# Altium PCB rt10.PcbDoc (part 1 of 4) (continued)
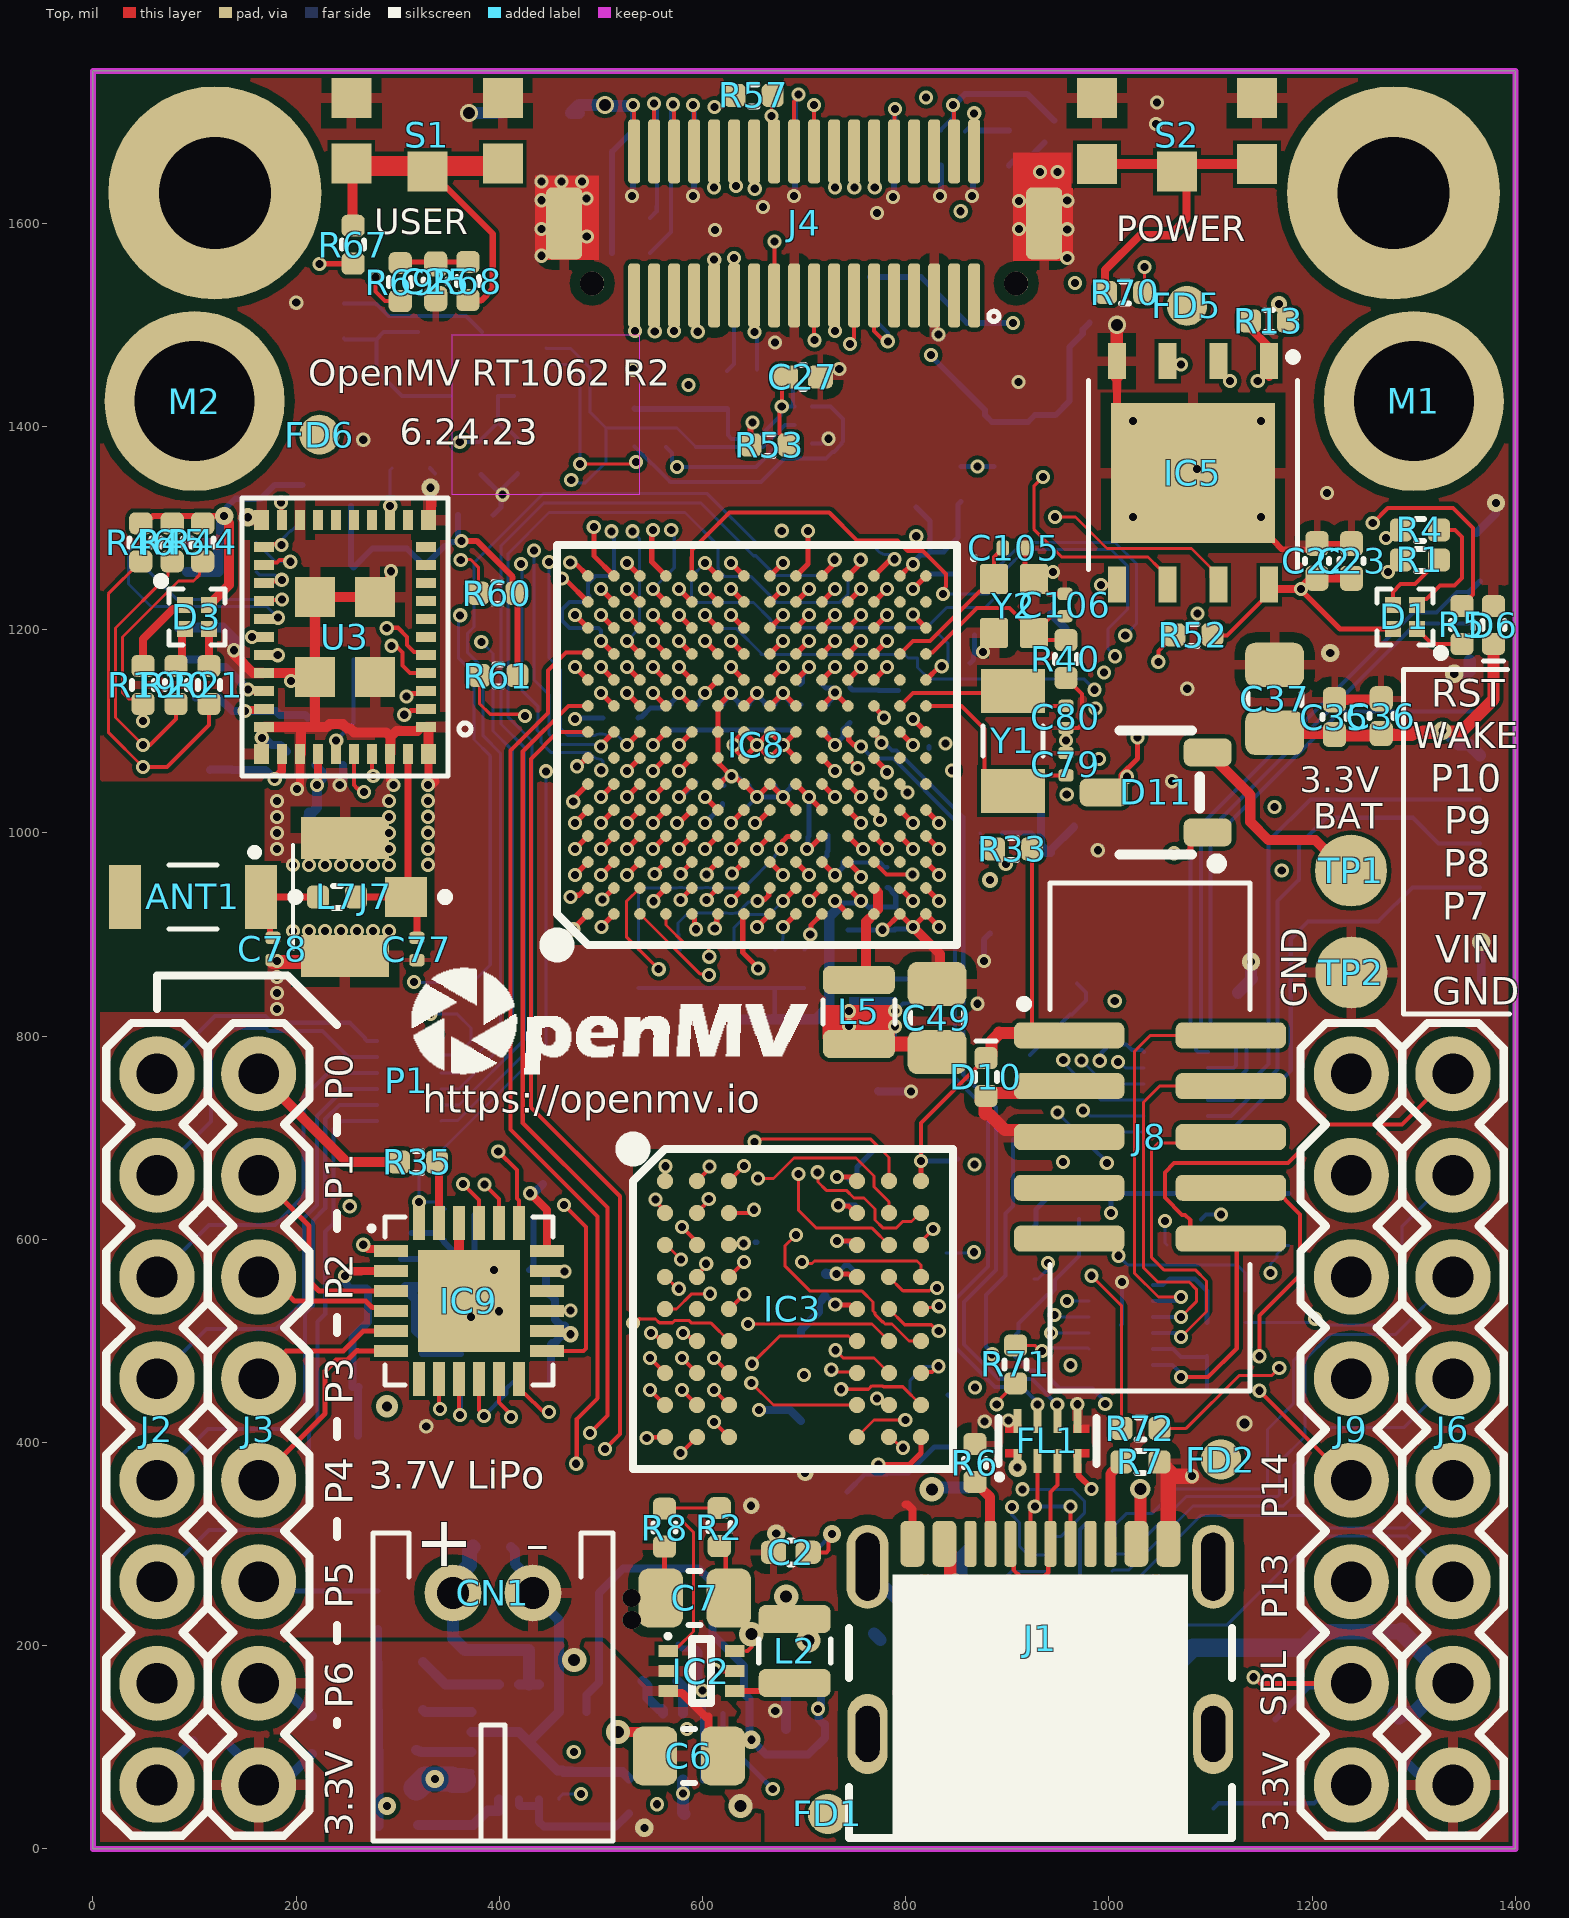
[diagram p0: Top view]
## Classes and differential pairs
component class wifi-bt: ANT1 C24 C74 C75 C76 C77 C78 C91 C92 C93 C113 J7 L7 L9 R60 R61 R62 R63 R64 R65 R66 U3 X1
component class usb: C110 FD1 FD2 FD3 FD4 FD5 FD6 FD7 FD8 FL1 J1 L1 M1 M2 P1 P2 P3 P4 R6 R7 R41
component class sensor-header: C32 C33 C39 C40 C42 C44 C51 C52 J4 L4 R24 R27 R28 R29 R30 R31 R53 R54
component class security-accelerometer: C20 C21 C26 C27 C111 C112 IC4 IC7 R15 R16 R17
component class sdram-16-bit: C11 C12 C13 C14 C15 C16 C17 C18 C19 C28 C29 C30 C31 IC3 R18
component class sd-card: C35 C36 C37 D6 D9 FL3 J5 R47 R48 R49 R50 R51 R52
component class regulators: C1 C2 C6 C7 D11 IC2 L2 Q1 Q2 Q3 R2 R3 R8 R22 R23 TP1 TP2 U1
component class qspi-flash: C22 C23 D3 IC5 R13 R19 R20 R21 R44 R45 R46
component class jtag: D10 FL5 J8 R37 R58 R59 R71 R72
component class io-headers: D4 D5 D7 D8 D13 D14 FL2 FL4 J2 J3 J6 J9 Q6 R55 R56 R57
component class ideal-diode: C3 C4 C5 D1 IC1 R5 R14
component class ethernet: C65 C81 C82 C83 C84 C85 C89 C90 C96 IC9 L8 R34 R35 R36 R38 R39
component class battery-charging: C8 C9 C10 CN1 D2 R1 R4 R9 R10 R11 R12 R42 R43 U2
net class DCMI: DCMI_CLK DCMI_D0 DCMI_D1 DCMI_D2 DCMI_D3 DCMI_D4 DCMI_D5 DCMI_D6 DCMI_D7 DCMI_FSIN DCMI_HSYNC DCMI_MISO DCMI_MOSI DCMI_PCLK DCMI_PWDN DCMI_RST DCMI_SCL DCMI_SCLK DCMI_SDA DCMI_SSEL DCMI_VSYNC
net class SDRAM: SDRAM_A0 SDRAM_A1 SDRAM_A2 SDRAM_A3 SDRAM_A4 SDRAM_A5 SDRAM_A6 SDRAM_A7 SDRAM_A8 SDRAM_A9 SDRAM_A10 SDRAM_A11 SDRAM_A12 SDRAM_BA0 SDRAM_BA1 SDRAM_CAS SDRAM_CKE SDRAM_CLK SDRAM_CS SDRAM_DQ0 SDRAM_DQ1 SDRAM_DQ2 SDRAM_DQ3 SDRAM_DQ4 SDRAM_DQ5 SDRAM_DQ6 SDRAM_DQ7 SDRAM_DQ8 SDRAM_DQ9 SDRAM_DQ10 SDRAM_DQ11 SDRAM_DQ12 SDRAM_DQ13 SDRAM_DQ14 SDRAM_DQ15 SDRAM_DQMH SDRAM_DQML SDRAM_RAS SDRAM_WE
component class mimxrt10xx: C25 C38 C41 C43 C45 C46 C47 C48 C49 C50 C53 C54 C55 C56 C57 C58 C59 C60 C61 C62 C63 C64 C66 C67 C68 C69 C70 C71 C72 C73 C79 C80 C86 C87 C88 C94 C95 C97 C98 C99 C100 C101 C102 C103 C104 C105 C106 C107 C108 C109 IC8 L5 L6 R32 R33 R40 R67 R68 R69 R70 S1 S2 Y1 Y2
polygon class PolygonThermal_ON_Width100000_Gap100000: Polygon_1_Net_GND Polygon_1_Net_VCC Polygon_2_Net_GND Polygon_3_Net_GND
polygon class Isolate_10: Polygon_1_Net_GND Polygon_1_Net_VCC Polygon_2_Net_GND Polygon_3_Net_GND
pad class SMDSolder_OFF: U3-43
pad class SMDPaste_OFF: FD1-1 FD2-1 FD5-1 FD6-1 J4-1 J4-2 J4-3 J4-4 J4-5 J4-6 J4-7 J4-8 J4-9 J4-10 J4-11 J4-12 J4-13 J4-14 J4-15 J4-16 J4-17 J4-18 J4-19 J4-20 J4-21 J4-22 J4-23 J4-24 J4-25 J4-26 J4-27 J4-28 J4-29 J4-30 J4-31 J4-32 J4-33 J4-34 J4-35 J4-36 U3-43
differential pair USB_D: +USB_D_P -USB_D_N

## Components (designator, comment, footprint, x,y, rotation, side; value= is the part's Value field where it differs from the comment)
ANT1 "AMCA31-2R450G-S1F-T3" ANTC3216X140N 98.43,937.01 r180 top
C1 "4.7uF" 0402-CAP 702,123 r0 bottom
C2 "4.7uF" 0402-CAP 686.87,292 r0 top
C3 "4.7uF" 0402-CAP 599.41,34.45 r180 bottom
C4 "4.7uF" 0402-CAP 559,201 r0 bottom
C5 "4.7uF" 0402-CAP 558.07,165.35 r0 bottom
C6 "22uF" 0805 586.61,91.54 r180 top
C7 "22uF" 0805 592.25,247.05 r180 top
C8 "4.7uF" 0402-CAP 441.05,200.86 r180 bottom
C9 "4.7uF" 0402-CAP 301.18,60.04 r0 bottom
C10 "4.7uF" 0402-CAP 527.56,52.17 r270 bottom
C11 "0.22uF" C0201 721.46,555.12 r270 bottom
C12 "4.7uF" 0402-CAP 717.52,617.13 r90 bottom
C13 "0.22uF" C0201 751.97,641.73 r270 bottom
C14 "22uF" 0805 688.98,473.43 r270 bottom
C15 "0.22uF" C0201 814.96,700.79 r90 bottom
C16 "0.22uF" C0201 651.47,607.07 r270 bottom
C17 "4.7uF" 0402-CAP 843.87,696.17 r270 bottom
C18 "22uF" 0805 771.65,723.43 r270 bottom
C19 "0.22uF" C0201 751.97,578.74 r270 bottom
C20 "0.1uF" 0402-CAP 279,1503 r90 bottom
C21 "4.7uF" 0402-CAP 247,1503 r270 bottom
C22 "0.1uF" 0402-CAP 1204.72,1267.89 r90 top
C23 "4.7uF" 0402-CAP 1238.7,1267.73 r270 top
C24 "0.1uF" 0402-CAP 376.56,1312.84 r0 bottom
C25 "4.7uF" 0402-CAP 337.31,1543.01 r90 top
C26 "0.1uF" 0402-CAP 704,1459 r0 bottom
C27 "4.7uF" 0402-CAP 698.82,1448.82 r180 top
C28 "0.22uF" C0201 650.59,562.01 r270 bottom
C29 "22uF" 0805 708.23,360 r180 bottom
C30 "4.7uF" 0402-CAP 862.2,397.64 r0 bottom
C31 "0.22uF" C0201 781.5,358.27 r90 bottom
C32 "22uF" 0805 437.01,1708.66 r180 bottom
C33 "4.7uF" 0402-CAP 866.14,1674.21 r90 bottom
C34 "0.22uF" C0201 679.14,1013.21 r270 bottom
C35 "4.7uF" 0402-CAP 1222,1114 r270 top
C36 "0.1uF" 0402-CAP 1268,1115 r90 top
C37 "22uF" 0805 1163,1132 r90 top
C38 "0.22uF" C0201 666.34,1112.2 r270 bottom
C39 "4.7uF" 0402-CAP 788.39,1673.23 r90 bottom
C40 "4.7uF" 0402-CAP 690.94,1674.21 r90 bottom
C41 "4.7uF" 0402-CAP 676.18,799.55 r90 bottom
C42 "4.7uF" 0402-CAP 591.54,1674.21 r90 bottom
C43 "0.22uF" C0201 715.55,997.05 r0 bottom
C44 "4.7uF" 0402-CAP 531.5,1674.21 r90 bottom
C45 "0.22uF" C0201 691.93,1112.2 r270 bottom
C46 "4.7uF" 0402-CAP 766.73,844.49 r270 bottom
C47 "0.22uF" C0201 807.09,845.47 r90 bottom
C48 "0.22uF" C0201 630.52,1029.11 r180 bottom
C49 "22uF" 0805 830.71,817.91 r270 top
C50 "0.22uF" C0201 818.43,1230.57 r90 bottom
C51 "22uF" 0805 981.3,1695.87 r0 bottom
C52 "4.7uF" 0402-CAP 834.65,1674.21 r90 bottom
C53 "0.22uF" C0201 593.5,1061.02 r90 bottom
C54 "0.22uF" C0201 715.72,1022.28 r0 bottom
C55 "0.22uF" C0201 765.59,915.53 r270 bottom
C56 "0.22uF" C0201 743.09,915.47 r270 bottom
C57 "4.7uF" 0402-CAP 712.6,799.55 r90 bottom
C58 "22uF" 0805 625,773.96 r90 bottom
C59 "0.22uF" C0201 823.82,1265.75 r270 bottom
C60 "4.7uF" 0402-CAP 851.38,1273.62 r90 bottom
C61 "22uF" 0805 776.54,1332 r0 bottom
C62 "0.22uF" C0201 730.32,974.41 r180 bottom
C63 "0.22uF" C0201 884.03,1000 r0 bottom
C64 "4.7uF" 0402-CAP 230,1021 r0 bottom
C65 "4.7uF" 0402-CAP 364.17,629.92 r180 bottom
C66 "0.22uF" C0201 707,1146 r180 bottom
C67 "4.7uF" 0402-CAP 519,1115 r180 bottom
C68 "0.22uF" C0201 590.55,1112.2 r90 bottom
C69 "0.22uF" C0201 771,1130 r90 bottom
C70 "0.22uF" C0201 792.84,1151.1 r270 bottom
C71 "0.22uF" C0201 716.5,1112.2 r90 bottom
C72 "4.7uF" 0402-CAP 742.08,1123.98 r270 bottom
C73 "22uF" 0805 879,1082.63 r270 bottom
C74 "0.1uF" 0402-CAP 182,1101 r270 bottom
C75 "0.1uF" 0402-CAP 84.39,1185.13 r90 bottom
C76 "0.1uF" 0402-CAP 236.22,1066.93 r0 bottom
C77 "GRM0335C1H1R5BA01D" CAPC0603X33N 318.9,885.83 r270 top
C78 "DNP" C0201-NO-3D 177.17,885.83 r270 top
C79 "18pF" C0201 957.68,1067.74 r90 top
C80 "18pF" C0201 957.68,1114.17 r270 top
C81 "0.1uF" 0402-CAP 290,551 r0 bottom
C82 "4.7uF" 0402-CAP 278,407 r180 bottom
C83 "4.7uF" 0402-CAP 292.32,607.28 r180 bottom
C84 "0.1uF" 0402-CAP 292.32,580.71 r0 bottom
C85 "22uF" 0805 298.31,505 r0 bottom
C86 "0.22uF" C0201 563.98,1112.2 r90 bottom
C87 "0.22uF" C0201 666.34,1061.02 r270 bottom
C88 "0.22uF" C0201 795,1019 r270 bottom
C89 "0.1uF" 0402-CAP 428.96,522.64 r180 bottom
C90 "4.7uF" 0402-CAP 429,491 r0 bottom
C91 "4.7uF" 0402-CAP 211,1131 r270 bottom
C92 "4.7uF" 0402-CAP 114.33,1185.45 r270 bottom
C93 "4.7uF" 0402-CAP 230,991 r180 bottom
C94 "0.22uF" C0201 640.75,1061.02 r270 bottom
C95 "4.7uF" 0402-CAP 882.87,918.31 r90 bottom
C96 "22uF" 0805 395.67,569.88 r180 bottom
C97 "0.22uF" C0201 616.14,1061.02 r270 bottom
C98 "0.22uF" C0201 615.16,1112.2 r90 bottom
C99 "0.22uF" C0201 593.44,1016.72 r90 bottom
C100 "0.22uF" C0201 691.93,1061.02 r270 bottom
C101 "4.7uF" 0402-CAP 822.83,1099.36 r90 bottom
C102 "0.22uF" C0201 797.14,1105.16 r270 bottom
C103 "0.22uF" C0201 640.75,1112.2 r90 bottom
C104 "4.7uF" 0402-CAP 857.99,1194.13 r180 bottom
C105 "4.7pF" C0201 906.5,1280.51 r0 top
C106 "4.7pF" C0201 956.69,1224.41 r90 top
C107 "0.22uF" C0201 857.36,1167.35 r0 bottom
C108 "4.7uF" 0402-CAP 886.81,1343.5 r90 bottom
C109 "0.22uF" C0201 788.35,915.34 r270 bottom
C110 "1nF" 0402-CAP 785.73,212.04 r180 bottom
C111 "0.1uF" 0402-CAP 418,1371 r270 bottom
C112 "4.7uF" 0402-CAP 382,1370 r90 bottom
C113 "4.7uF" 0402-CAP 254,1339 r270 bottom
CN1 "S2B-PH-K-S(LF)(SN)" JST-PH-2-THM-RA 393.7,251.97 r180 top
D1 "UHD1110-FKA-CL1A13R3Q1BBQFMF3" LED_UHD1110-FKA-CL1A13R3Q1BBQFMF3 1291.21,1212.6 r180 top
D2 "CPDQT5V0HE-HF" CPDQT5V0HEHF 392.72,297.24 r0 bottom
D3 "UHD1110-FKA-CL1A13R3Q1BBQFMF3" LED_UHD1110-FKA-CL1A13R3Q1BBQFMF3 102.36,1212.6 r0 top
D4 "CPDQT5V0HE-HF" CPDQT5V0HEHF 113.19,110.24 r0 bottom
D5 "CPDQT5V0HE-HF" CPDQT5V0HEHF 215.55,112.2 r270 bottom
D6 "CPDQT5V0HE-HF" CPDQT5V0HEHF 1378.36,1204.68 r90 top
D7 "CPDQT5V0HE-HF" CPDQT5V0HEHF 1285.43,111.22 r270 bottom
D8 "CPDQT5V0HE-HF" CPDQT5V0HEHF 280.51,235.24 r270 bottom
D9 "CPDQT5V0HE-HF" CPDQT5V0HEHF 921,761 r270 bottom
D10 "CPDQT5V0HE-HF" CPDQT5V0HEHF 878.93,759.84 r270 top
D11 "Dual Schottky" SOT-23-3 1046,1040 r90 top value=?V
D13 "CPDQT5V0HE-HF" CPDQT5V0HEHF 1164,109 r270 bottom
D14 "CPDQT5V0HE-HF" CPDQT5V0HEHF 1084,40 r180 bottom
FD1 "FIDUCIAL1X2" FIDUCIAL-1X2 723.43,34.45 r0 top
FD2 "FIDUCIAL1X2" FIDUCIAL-1X2 1110.24,383.28 r0 top
FD3 "FIDUCIAL1X2" FIDUCIAL-1X2 223,1392 r180 bottom
FD4 "FIDUCIAL1X2" FIDUCIAL-1X2 1110.24,382.97 r180 bottom
FD5 "FIDUCIAL1X2" FIDUCIAL-1X2 1076.74,1518.92 r0 top
FD6 "FIDUCIAL1X2" FIDUCIAL-1X2 223,1392 r0 top
FD7 "FIDUCIAL1X2" FIDUCIAL-1X2 1156.17,1477 r180 bottom
FD8 "FIDUCIAL1X2" FIDUCIAL-1X2 527.56,330.71 r180 bottom
FL1 "ECMF02-4CMX8" ECMF024CMX8 939.46,401.57 r0 top
FL2 "EMIF06-1005M12" SON40P150X250X65-13N 311.02,755.91 r180 bottom
FL3 "EMIF06-1005M12" SON40P150X250X65-13N 1066,745 r0 bottom
FL4 "EMIF06-1005M12" SON40P150X250X65-13N 971.5,265.62 r0 bottom
FL5 "EMIF06-1005M12" SON40P150X250X65-13N 1011.81,515.75 r0 bottom
IC1 "LM66200DRLR" SOTFL50P160X60-8N 590.55,100.39 r90 bottom
IC2 "AP61300Z6-7" SOTFL50P162X60-6N 598.89,174.95 r0 top
IC3 "IS42S16160G-6BL" BGA54C80P9X9_800X800X120 688.98,531.5 r0 top
IC4 "SE050C1HQ1/Z01SCZ" HX2QFN20 383,1493 r270 bottom
IC5 "IS25LP128F-JKLE-TR" SON127P500X595X80-9N 1082.68,1354.34 r270 top
IC7 "MXC4005XC" MXC4005XC 699.02,1401.58 r180 bottom
IC8 "MIMXRT106FDVL6B" BGA196C65P14X14_1000X1000X143 653.54,1086.61 r90 top locked
IC9 "KSZ8081RNDCA-TR" QFN50P400X400X90-25N 370.08,539.37 r0 top
J1 "USB4105-GF-A" GCT_USB4105-GF-A 932.46,113.19 r0 top
J2 "DNP" 1X08 62.99,62.99 r90 top
J3 "DNP" 1X08 162.99,62.99 r90 top
J4 "DF12NB(3.0)-36DS-0.5V(51)" DF12-36-DS 700,1600 r0 top
J5 "USD-1040310811" 1040310811 1156.01,1069.08 r270 bottom locked
J6 "DNP" 1X08 1338.58,62.99 r90 top
J7 "DNP" 23370191-NO-3D 248.03,937.01 r90 top
J8 "3221-10-0300-00" CNC_3221-10-0300-00 1040.35,700.79 r270 top locked
J9 "DNP" 1X08 1238.58,62.99 r90 top
L1 "MFBM1V1608-101-R" 0603-RES 863,328 r90 bottom
L2 "MAKK2016T1R0M" INDC2016X100N 690.68,194.88 r90 top
L4 "100" C0402 901.57,1674.21 r90 bottom
L5 "MAKK2016T4R7M" INDC2016X100N 753.84,823.82 r90 top
L6 "100" C0402 854.33,1343.5 r90 bottom
L7 "3.9NH" 0402 240.16,937.01 r0 top
L8 "100" C0402 278.57,454.76 r0 bottom
L9 "MAKK2016T2R2M" INDC2016X100N 101,1102 r90 bottom
M1 "9774030243R" 9774030243R 1300,1425 r0 top
M2 "9774030243R" 9774030243R 100,1425 r0 top
P1 "OpenMV Logo" OMV-LOGO-SMALL 309.06,755.91 r0 top
P2 "OpenMV Logo" OMV-LOGO-SMALL 775.8,1167.27 r180 bottom
P3 "RoHS Logo" ROHS 1164,1313 r180 bottom
P4 "WEEE Logo" WEEE 1163,1505 r180 bottom
Q1 "2N7002KW_R1_00001" SOT65P210X110-3N 1013.78,620.08 r180 bottom
Q2 "2N7002KW_R1_00001" SOT65P210X110-3N 1133.69,619.41 r180 bottom
Q3 "2N7002KW_R1_00001" SOT65P210X110-3N 882.87,586.61 r180 bottom
Q6 "DMG2301L-7" SOT-23-3-FET 970,110 r180 bottom
R1 "5.1K" 0402-RES 1306.1,1268.7 r0 top
R2 "200K" 0402-RES 616.4,316.71 r270 top
R3 "100K" 0402-RES 897.64,522.64 r180 bottom
R4 "10K" 0402-RES 1306.1,1298.23 r0 top
R5 "1K" 0402-RES 1347.44,1204.72 r270 top
R6 "5.1K" 0402-RES 868,380 r90 top
R7 "5.1K" 0402-RES 1031,381 r0 top
R8 "44.2K" 0402-RES 562.56,316.2 r90 top
R9 "10K" 0402-RES 299.21,184.06 r180 bottom
R10 "1.1K" 0402-RES 301.18,23.62 r180 bottom
R11 "46.4K" 0402-RES 299.21,97.44 r180 bottom
R12 "8.2K" 0402-RES 299.21,136.81 r180 bottom
R13 "100K" 0402-RES 1157.48,1503.94 r180 top
R14 "100K" 0402-RES 813,115 r90 bottom
R15 "2.7K" 0402-RES 533.09,1399.2 r90 bottom
R16 "2.7K" 0402-RES 593.5,1398.62 r90 bottom
R17 "2.7K" 0402-RES 563.98,1398.62 r90 bottom
R18 "100K" 0402-RES 823,447 r180 bottom
R19 "1K" 0402-RES 49.21,1145.67 r90 top
R20 "10K" 0402-RES 81.69,1145.67 r90 top
R21 "5.1K" 0402-RES 114.17,1145.67 r90 top
R22 "100K" 0402-RES 925,699 r180 bottom
R23 "100K" 0402-RES 925.21,665.35 r180 bottom
R24 "100K" 0402-RES 764.76,1528.54 r90 bottom
R27 "10K" 0402-RES 674.21,1525.59 r270 bottom
R28 "1K" 0402-RES 654.53,1436.02 r270 bottom
R29 "10K" 0402-RES 624.02,1436.02 r270 bottom
R30 "4.7K" 0402-RES 529.53,1570.87 r180 bottom
R31 "4.7K" 0402-RES 529.53,1605.32 r180 bottom
R32 "30K" 0201-RES 781.74,956.27 r270 bottom
R33 "100K" 0402-RES 905.51,984.25 r180 top
R34 "100K" 0402-RES 287.4,636.81 r180 bottom
R35 "220" 0402-RES 319.88,676.18 r180 top
R36 "1K" 0402-RES 442.91,635.83 r270 bottom
R37 "10K" 0402-RES 313,1359 r0 bottom
R38 "6.49K" 0402-RES 370.56,468.05 r90 bottom
R39 "1K" 0402-RES 432.09,459.65 r0 bottom
R40 "2.2M" 0402-RES 957.68,1171.26 r270 top
R41 "1Meg" 0402-RES 787.19,179.9 r180 bottom
R42 "100K" 0402-RES 882,115 r90 bottom
R43 "100K" 0402-RES 845,115 r90 bottom
R44 "10K" 0402-RES 108,1286 r270 top
R45 "10K" 0402-RES 78,1286 r270 top
R46 "10K" 0402-RES 47,1286 r270 top
R47 "100K" 0402-RES 671,866 r270 bottom
R48 "100K" 0402-RES 700,866 r270 bottom
R49 "100K" 0402-RES 537,866 r270 bottom
R50 "100K" 0402-RES 630.29,866.34 r270 bottom
R51 "100K" 0402-RES 578,866 r270 bottom
R52 "100K" 0402-RES 1083,1195 r0 top
R53 "100K" 0402-RES 666,1382 r180 top
R54 "1K" 0402-RES 981,1521 r270 bottom
R55 "0" 0402-RES 1115,452 r0 bottom
R56 "0" 0402-RES 1115,518 r0 bottom
R57 "10K" 0402-RES 650.3,1726 r180 top
R58 "DNP" 0402-RES 1115,485 r0 bottom
R59 "DNP" 0402-RES 1115.3,549 r180 bottom
R60 "10K" 0402-RES 398,1236 r180 top
R61 "10K" 0402-RES 399,1155 r0 top
R62 "100K" 0402-RES 206,1324 r90 bottom
R63 "100K" 0402-RES 142,1257 r180 bottom
R64 "100K" 0402-RES 74,1285 r0 bottom
R65 "100K" 0402-RES 142,1286 r180 bottom
R66 "100K" 0402-RES 74,1257 r0 bottom
R67 "10K" 0402-RES 256,1579 r270 top
R68 "10K" 0402-RES 369.1,1543.27 r90 top
R69 "100K" 0402-RES 302.41,1542.22 r270 top
R70 "10K" 0402-RES 1016,1532 r0 top
R71 "DNP" 0402-RES 908,477 r270 top
R72 "DNP" 0402-RES 1031,414 r0 top
S1 "KMS231GLFS" KMS231GLFS#1 329.32,1690.83 r180 top
S2 "KMS231GLFS" KMS231GLFS#2 1067,1690.83 r180 top
TP1 "TP" TP_1p8 1238.21,963.03 r0 top
TP2 "TP" TP_1p8 1238.55,862.69 r0 top
U1 "TCR2LF33,LM(CT" SOT-23-5 674,226 r180 bottom
U2 "BQ24075RGTR" QFN50P300X300X100-17N 429.13,105.32 r270 bottom
U3 "LBEE5KL1DX-883" XCVR_LBEE5KL1DX-TEMP 248.03,1192.91 r180 top
X1 "ECS-327MVATX-3-CN-TR3" XTAL_3225 292,1216 r270 bottom
Y1 "SC32S-7PF20PPM" XTAL_ABS07-32.768KHZ-7-T 905.51,1090.55 r90 top
Y2 "XRCGB24M000F3M00R0" XRCGB24M000F3M00R0 906.5,1223.43 r270 top

## Footprints (in the part's own frame and the unit in brackets; to place one, negate y for a bottom-side part, rotate by r counter-clockwise, add the part's x,y. Pads: shape width x height; smd on the part's side, far side on the other; paste and mask are expansions set on the pad)
1X08 [mil] "1X08"
  round 74 hole 40: 1(0,0) 2(100,0) 3(200,0) 4(300,0) 5(400,0) 6(500,0) 7(600,0) 8(700,0)
  silkscreen extent -50,-50 750,50, body extent -51,-50 749,50, height 335
0201-RES [mil] "0201 IPC-7351"
  rrect50% 12x15 smd mask+1.97: 1(-10,0) 2(10,0)
  body extent -12,-6 12,6, height 9
0402 [mm] "Chip Resistor, 2-Leads, Body  0402 (in) 1005 (mm), IPC Medium Density"
  rrect51% 0.55x0.58 smd mask+0.05: 1(-0.475,0) 2(0.475,0)
  silkscreen extent -0.1,-0.28 0.1,0.28, body extent -0.5,-0.25 0.5,0.25, height 0.34
0402-CAP [mm] "Chip Capacitor, 2-Leads, Body  0402 (in) 1005 (mm), IPC Medium Density"
  rrect52% 0.63x0.58 smd mask+0.05: 1(-0.435,0) 2(0.435,0)
  silkscreen extent -0.05,-0.3 0.05,0.3, body extent -0.5,-0.25 0.5,0.25, height 0.5
0402-RES [mm] "Chip Resistor, 2-Leads, Body  0402 (in) 1005 (mm), IPC Medium Density"
  rrect51% 0.55x0.58 smd mask+0.05: 1(-0.475,0) 2(0.475,0)
  silkscreen extent -0.1,-0.28 0.1,0.28, body extent -0.5,-0.25 0.5,0.25, height 0.34
0603-RES [mm]
  rrect51% 0.87x0.97 smd mask+0.05: 1(-0.8,0) 2(0.75,0)
  silkscreen extent -0.2,-0.5 0.15,0.5, body extent -0.8,-0.4 0.8,0.4, height 0.45
0805 [mm] "Chip Capacitor, Body 0805 imperial, 2.0x1.2mm, IPC Medium Density"
  rrect45% 1.11x1.47 smd: 1(-0.85,0) 2(0.85,0)
  silkscreen extent -0.15,-0.67 0.15,0.67, body extent -1,-0.62 1,0.63, height 1.25
23370191-NO-3D [mm] "23370191"
  rect 1x1.05 smd: 1(0,-1.525)
  rect 1.05x2.2 smd: 2(-1.475,0) 3(1.475,0)
  silkscreen extent -1.3,-2.6 1.3,1.3
1040310811 [mm] "1040310811"
  rect 1.2x1 smd: CD$1(5.747,4.438) CD$2(5.747,0.738)
  rect 0.85x1.1 smd: P$1(3.112,-5.412) P$2(2.013,-5.412) P$3(0.912,-5.412) P$4(-0.188,-5.412) P$5(-1.287,-5.412) P$6(-2.387,-5.412) P$7(-3.488,-5.412)
  rect 0.75x1.1 smd: P$8(-4.538,-5.412)
  rect 1.17x1.8 smd: SH(-5.747,-5.062)
  rect 1.9x1.35 smd: SH(-3.722,5.412) SH(2.248,5.412)
  rect 1.55x1.35 smd: SH(5.573,-5.288)
  silkscreen extent -5.99,-4.44 6.03,5.74, body extent -5.94,-5.66 6.01,5.74, height 1.46
9774030243R [mm] "Round Standoff Threaded M2x0.4 Steel 0.118\" (3.00mm)"
  round 4.5 hole 3 mask+0.05: 1(0,0)
  body extent -2.17,-2.17 2.18,2.17, height 3.01
ANTC3216X140N [mm] "ANTC3216X140N"
  rect 0.8x1.6 smd: 1(-1.7,0) 2(1.7,0)
  silkscreen extent -2.66,-0.8 0.6,0.8, body extent -1.6,-0.8 1.6,0.8, height 1.2
BGA54C80P9X9_800X800X120 [mil] "BGA54C80P9X9_800X800X120"
  rrect100% 16.14x16.14 smd: A1(-125.98,125.98) A2(-94.49,125.98) A3(-62.99,125.98) A7(62.99,125.98) A8(94.49,125.98) A9(125.98,125.98) B1(-125.98,94.49) B2(-94.49,94.49) B3(-62.99,94.49) B7(62.99,94.49) B8(94.49,94.49) B9(125.98,94.49) C1(-125.98,62.99) C2(-94.49,62.99) C3(-62.99,62.99) C7(62.99,62.99) C8(94.49,62.99) C9(125.98,62.99) D1(-125.98,31.5) D2(-94.49,31.5) D3(-62.99,31.5) D7(62.99,31.5) D8(94.49,31.5) D9(125.98,31.5) E1(-125.98,0) E2(-94.49,0) E3(-62.99,0) E7(62.99,0) E8(94.49,0) E9(125.98,0) F1(-125.98,-31.5) F2(-94.49,-31.5) F3(-62.99,-31.5) F7(62.99,-31.5) F8(94.49,-31.5) F9(125.98,-31.5) G1(-125.98,-62.99) G2(-94.49,-62.99) G3(-62.99,-62.99) G7(62.99,-62.99) G8(94.49,-62.99) G9(125.98,-62.99) H1(-125.98,-94.49) H2(-94.49,-94.49) H3(-62.99,-94.49) H7(62.99,-94.49) H8(94.49,-94.49) H9(125.98,-94.49) J1(-125.98,-125.98) J2(-94.49,-125.98) J3(-62.99,-125.98) J7(62.99,-125.98) J8(94.49,-125.98) J9(125.98,-125.98)
  silkscreen extent -165,-157 157,165, body extent -157,-157 157,157, height 47
BGA196C65P14X14_1000X1000X143 [mil] "BGA196C65P14X14_1000X1000X143"
  rrect100% 11.42x11.42 smd: A1(-166.34,166.34) A2(-140.75,166.34) A3(-115.16,166.34) A4(-89.57,166.34) A5(-63.98,166.34) A6(-38.39,166.34) A7(-12.8,166.34) A8(12.8,166.34) A9(38.39,166.34) A10(63.98,166.34) A11(89.57,166.34) A12(115.16,166.34) A13(140.75,166.34) A14(166.34,166.34) B1(-166.34,140.75) B2(-140.75,140.75) B3(-115.16,140.75) B4(-89.57,140.75) B5(-63.98,140.75) B6(-38.39,140.75) B7(-12.8,140.75) B8(12.8,140.75) B9(38.39,140.75) B10(63.98,140.75) B11(89.57,140.75) B12(115.16,140.75) B13(140.75,140.75) B14(166.34,140.75) C1(-166.34,115.16) C2(-140.75,115.16) C3(-115.16,115.16) C4(-89.57,115.16) C5(-63.98,115.16) C6(-38.39,115.16) C7(-12.8,115.16) C8(12.8,115.16) C9(38.39,115.16) C10(63.98,115.16) C11(89.57,115.16) C12(115.16,115.16) C13(140.75,115.16) C14(166.34,115.16) D1(-166.34,89.57) D2(-140.75,89.57) D3(-115.16,89.57) D4(-89.57,89.57) D5(-63.98,89.57) D6(-38.39,89.57) D7(-12.8,89.57) D8(12.8,89.57) D9(38.39,89.57) D10(63.98,89.57) D11(89.57,89.57) D12(115.16,89.57) D13(140.75,89.57) D14(166.34,89.57) E1(-166.34,63.98) E2(-140.75,63.98) E3(-115.16,63.98) E4(-89.57,63.98) E5(-63.98,63.98) E6(-38.39,63.98) E7(-12.8,63.98) E8(12.8,63.98) E9(38.39,63.98) E10(63.98,63.98) E11(89.57,63.98) E12(115.16,63.98) E13(140.75,63.98) E14(166.34,63.98) F1(-166.34,38.39) F2(-140.75,38.39) F3(-115.16,38.39) F4(-89.57,38.39) F5(-63.98,38.39) F6(-38.39,38.39) F7(-12.8,38.39) F8(12.8,38.39) F9(38.39,38.39) F10(63.98,38.39) F11(89.57,38.39) F12(115.16,38.39) F13(140.75,38.39) F14(166.34,38.39) G1(-166.34,12.8) G2(-140.75,12.8) G3(-115.16,12.8) G4(-89.57,12.8) G5(-63.98,12.8) G6(-38.39,12.8) G7(-12.8,12.8) G8(12.8,12.8) G9(38.39,12.8) G10(63.98,12.8) G11(89.57,12.8) G12(115.16,12.8) G13(140.75,12.8) G14(166.34,12.8) H1(-166.34,-12.8) H2(-140.75,-12.8) H3(-115.16,-12.8) H4(-89.57,-12.8) H5(-63.98,-12.8) H6(-38.39,-12.8) H7(-12.8,-12.8) H8(12.8,-12.8) H9(38.39,-12.8) H10(63.98,-12.8) H11(89.57,-12.8) H12(115.16,-12.8) H13(140.75,-12.8) H14(166.34,-12.8) J1(-166.34,-38.39) J2(-140.75,-38.39) J3(-115.16,-38.39) J4(-89.57,-38.39) J5(-63.98,-38.39) J6(-38.39,-38.39) J7(-12.8,-38.39) J8(12.8,-38.39) J9(38.39,-38.39) J10(63.98,-38.39) J11(89.57,-38.39) J12(115.16,-38.39) J13(140.75,-38.39) J14(166.34,-38.39) K1(-166.34,-63.98) K2(-140.75,-63.98) K3(-115.16,-63.98) K4(-89.57,-63.98) K5(-63.98,-63.98) K6(-38.39,-63.98) K7(-12.8,-63.98) K8(12.8,-63.98) K9(38.39,-63.98) K10(63.98,-63.98) K11(89.57,-63.98) K12(115.16,-63.98) K13(140.75,-63.98) K14(166.34,-63.98) L1(-166.34,-89.57) L2(-140.75,-89.57) L3(-115.16,-89.57) L4(-89.57,-89.57) L5(-63.98,-89.57) L6(-38.39,-89.57) L7(-12.8,-89.57) L8(12.8,-89.57) L9(38.39,-89.57) L10(63.98,-89.57) L11(89.57,-89.57) L12(115.16,-89.57) L13(140.75,-89.57) L14(166.34,-89.57) M1(-166.34,-115.16) M2(-140.75,-115.16) M3(-115.16,-115.16) M4(-89.57,-115.16) M5(-63.98,-115.16) M6(-38.39,-115.16) M7(-12.8,-115.16) M8(12.8,-115.16) M9(38.39,-115.16) M10(63.98,-115.16) M11(89.57,-115.16) M12(115.16,-115.16) M13(140.75,-115.16) M14(166.34,-115.16) N1(-166.34,-140.75) N2(-140.75,-140.75) N3(-115.16,-140.75) N4(-89.57,-140.75) N5(-63.98,-140.75) N6(-38.39,-140.75) N7(-12.8,-140.75) N8(12.8,-140.75) N9(38.39,-140.75) N10(63.98,-140.75) N11(89.57,-140.75) N12(115.16,-140.75) N13(140.75,-140.75) N14(166.34,-140.75) P1(-166.34,-166.34) P2(-140.75,-166.34) P3(-115.16,-166.34) P4(-89.57,-166.34) P5(-63.98,-166.34) P6(-38.39,-166.34) P7(-12.8,-166.34) P8(12.8,-166.34) P9(38.39,-166.34) P10(63.98,-166.34) P11(89.57,-166.34) P12(115.16,-166.34) P13(140.75,-166.34) P14(166.34,-166.34)
  silkscreen extent -204,-197 197,204, body extent -197,-197 197,197, height 59
C0201 [mil] "0201 IPC-7351"
  rrect50% 12x15 smd mask+1.97: 1(-11,0) 2(11,0)
  body extent -12,-6 12,6, height 14
C0201-NO-3D [mil] "0201 IPC-7351"
  rrect50% 12x15 smd mask+1.97: 1(-11,0) 2(11,0)
C0402 [mm] "Chip Capacitor, 2-Leads, Body  0402 (in) 1005 (mm), IPC Medium Density"
  rrect52% 0.63x0.58 smd mask+0.05: 1(-0.435,0) 2(0.435,0)
  silkscreen extent -0.05,-0.3 0.05,0.3, body extent -0.5,-0.25 0.5,0.25, height 0.5
CAPC0603X33N [mil] "CAPC0603X33N"
  rrect50% 12x15 smd mask+1.97: 1(-10.97,-0.04) 2(11.03,-0.04)
  body extent -12,-6 12,6, height 14
CNC_3221-10-0300-00 [mm] "CNC_3221-10-0300-00"
  rrect50% 0.65x2.76 smd: 1(-2.54,-2.02) 2(-2.54,2.02) 3(-1.27,-2.02) 4(-1.27,2.02) 5(0,-2.02) 6(0,2.02) 7(1.27,-2.02) 8(1.27,2.02) 9(2.54,-2.02) 10(2.54,2.02)
  silkscreen extent -6.35,-3.25 6.35,2.5, body extent -6.35,-2.8 6.35,2.8, height 5.21
CPDQT5V0HEHF [mm] "CPDQT5V0HEHF"
  rrect51% 0.55x0.58 smd mask+0.05: 1(-0.475,0) 2(0.475,0)
  silkscreen extent -0.9,-0.27 0.1,0.28, body extent -0.5,-0.25 0.5,0.25, height 0.34
DF12-36-DS [mm] "DF12-36-DS"
  rrect50% 0.3x1.6 smd paste+0: 1(4.25,-1.8) 2(4.25,1.8) 3(3.75,-1.8) 4(3.75,1.8) 5(3.25,-1.8) 6(3.25,1.8) 7(2.75,-1.8) 8(2.75,1.8) 9(2.25,-1.8) 10(2.25,1.8) 11(1.75,-1.8) 12(1.75,1.8) 13(1.25,-1.8) 14(1.25,1.8) 15(0.75,-1.8) 16(0.75,1.8) 17(0.25,-1.8) 18(0.25,1.8) 19(-0.25,-1.8) 20(-0.25,1.8) 21(-0.75,-1.8) 22(-0.75,1.8) 23(-1.25,-1.8) 24(-1.25,1.8) 25(-1.75,-1.8) 26(-1.75,1.8) 27(-2.25,-1.8) 28(-2.25,1.8) 29(-2.75,-1.8) 30(-2.75,1.8) 31(-3.25,-1.8) 32(-3.25,1.8) 33(-3.75,-1.8) 34(-3.75,1.8) 35(-4.25,-1.8) 36(-4.25,1.8)
  rrect30% 0.9x1.8 smd: M(-6,0) M(6,0)
  round 0.6 hole 0.6 unplated: MH1(5.3,-1.5) MH2(-5.3,-1.5)
  silkscreen extent 4.62,-2.45 4.87,-2.2, body extent -6.05,-2.3 6.05,2.3, height 2.7
ECMF024CMX8 [mil] "ECMF024CMX8"
  rect 7.87x23.62 smd: 1(-29.53,-19.69) 2(-9.84,-19.69) 3(9.84,-19.69) 4(29.53,-19.69) 5(29.53,19.69) 6(9.84,19.69) 7(-9.84,19.69) 8(-29.53,19.69)
  Top region: -25.59,7.88 -25.59,15.76 -41.34,15.76 -41.34,7.88
  Top region: -25.59,-7.88 -25.59,-15.76 -41.34,-15.76 -41.34,-7.88
  Top region: 25.59,-7.88 25.59,-15.76 41.34,-15.76 41.34,-7.88
  Top region: 25.59,7.88 25.59,15.76 41.34,15.76 41.34,7.88
  silkscreen extent -50,-38 48,23, body extent -49,-24 49,24, height 20
FIDUCIAL-1X2 [mm] "FIDUCIAL-1X2"
  rrect100% 1x1 smd paste+0: 1(0,0)
GCT_USB4105-GF-A [mm] "GCT_USB4105-GF-A"
  round 0.65 hole 0.65 unplated: 0(-2.89,3.68) 0(2.89,3.68)
  rrect50% 0.6x1.15 smd mask+0: A1_B12(-3.2,4.755) A4_B9(-2.4,4.755) B1_A12(3.2,4.755) B4_A9(2.4,4.755)
  rrect50% 0.3x1.15 smd mask+0: A5(-1.25,4.755) A6(-0.25,4.755) A7(0.25,4.755) A8(1.25,4.755) B5(1.75,4.755) B6(0.75,4.755) B7(-0.75,4.755) B8(-1.75,4.755)
  oval 1x2 hole 0.6 slot 1.4 at 90 deg: SH(-4.32,0) SH(4.32,0)
  oval 1.05x2.1 hole 0.6 slot 1.7 at 90 deg: SH(-4.32,4.18) SH(4.32,4.18)
  silkscreen extent -4.79,-2.6 4.79,2.65, body extent -4.79,-2.6 4.79,5.11, height 3.31
HX2QFN20 [mm] "NXP"
  rrect25% 0.825x0.279 smd mask+0.025: 1(-1.6,0.8) 2(-1.6,0.4) 3(-1.6,0) 4(-1.6,-0.4) 5(-1.6,-0.8) 11(1.6,-0.8) 12(1.6,-0.4) 13(1.6,0) 14(1.6,0.4) 15(1.6,0.8)
  rrect25% 0.279x0.825 smd mask+0.025: 6(-0.8,-1.6) 7(-0.4,-1.6) 8(0,-1.6) 9(0.4,-1.6) 10(0.8,-1.6) 16(0.8,1.6) 17(0.4,1.6) 18(0,1.6) 19(-0.4,1.6) 20(-0.8,1.6)
  rect 2x2 smd mask+0.025: EP(0,0)
  silkscreen extent -1.87,1.71 -1.67,1.91, body extent -1.5,-1.5 1.5,1.5, height 0.3
INDC2016X100N [mm] "INDC2016X100N"
  rrect50% 0.7x1.8 smd: 1(-0.8,0) 2(0.8,0)
  silkscreen extent -0.3,-0.9 0.3,0.9, body extent -1,-0.8 1,0.8, height 1
JST-PH-2-THM-RA [mil] "JST-PH-2-THM-RA"
  round 56 hole 31.5: 1(39.37,0) 2(-39.37,0)
  silkscreen extent -118,-59 118,244, body extent -118,-59 118,244, height 195
KMS231GLFS#1 [mm]
  rect 1x1 smd: 1(-1.88,-0.825) 2(-1.88,0.813) 3(0,1.016) 4(1.905,0.813) 5(1.905,-0.825)
  body extent -2.3,-2.15 2.3,1.4, height 1.43
KMS231GLFS#2 [mm]
  rect 1x1 smd: 1(-2,-0.825) 2(-2,0.825) 3(0,1.016) 4(2,0.825) 5(2,-0.825)
  body extent -2.3,-2.15 2.3,1.4, height 1.43
LED_UHD1110-FKA-CL1A13R3Q1BBQFMF3 [mil] "LED_UHD1110-FKA-CL1A13R3Q1BBQFMF3"
  rect 15.75x15.75 smd: 1(-11.81,11.81) 2(-11.81,-11.81) 3(11.81,-11.81) 4(11.81,11.81)
  silkscreen extent -39,-28 28,39, body extent -20,-20 20,20, height 24
MXC4005XC [mm] "MXC4005XC"
  rect 0.25x0.3 smd: 1(-0.22,0.46) 2(-0.22,0) 3(-0.22,-0.46) 4(0.22,-0.46) 5(0.22,0) 6(0.22,0.46)
  silkscreen extent -0.77,-0.85 0.59,1.07, body extent -0.6,-0.8 0.6,0.8, height 0.62
OMV-LOGO-SMALL [mil] "OMV-LOGO-SMALL"
  silkscreen extent 4,6 395,112
QFN50P300X300X100-17N [mil] "QFN50P300X300X100-17N"
  rrect25% 33.86x10.24 smd: 1(-56.5,29.53) 2(-56.5,9.84) 3(-56.5,-9.84) 4(-56.5,-29.53) 9(56.5,-29.53) 10(56.5,-9.84) 11(56.5,9.84) 12(56.5,29.53)
  rrect25% 10.24x33.86 smd: 5(-29.53,-56.5) 6(-9.84,-56.5) 7(9.84,-56.5) 8(29.53,-56.5) 13(29.53,56.5) 14(9.84,56.5) 15(-9.84,56.5) 16(-29.53,56.5)
  rect 66.14x66.14 smd paste+0: 17(0,0)
  silkscreen extent -75,-59 59,63, body extent -59,-59 59,59, height 39
QFN50P400X400X90-25N [mil] "QFN50P400X400X90-25N"
  rect 33.46x11.81 smd: 1(-76.77,49.21) 2(-76.77,29.53) 3(-76.77,9.84) 4(-76.77,-9.84) 5(-76.77,-29.53) 6(-76.77,-49.21) 13(76.77,-49.21) 14(76.77,-29.53) 15(76.77,-9.84) 16(76.77,9.84) 17(76.77,29.53) 18(76.77,49.21)
  rect 11.81x33.46 smd: 7(-49.21,-76.77) 8(-29.53,-76.77) 9(-9.84,-76.77) 10(9.84,-76.77) 11(29.53,-76.77) 12(49.21,-76.77) 19(49.21,76.77) 20(29.53,76.77) 21(9.84,76.77) 22(-9.84,76.77) 23(-29.53,76.77) 24(-49.21,76.77)
  rect 100.39x100.39 smd: 25(0,0)
  silkscreen extent -98,-83 83,83, body extent -79,-79 79,79, height 39
ROHS [mil] "ROHS"
  silkscreen extent 0,-1 158,160
SON40P150X250X65-13N [mil] "SON40P150X250X65-13N"
  rect 27.56x7.87 smd: 1(-31.5,39.37) 2(-31.5,23.62) 3(-31.5,7.87) 4(-31.5,-7.87) 5(-31.5,-23.62) 6(-31.5,-39.37) 7(31.5,-39.37) 8(31.5,-23.62) 9(31.5,-7.87) 10(31.5,7.87) 11(31.5,23.62) 12(31.5,39.37)
  rect 19.69x74.8 smd: 13(0,0)
  silkscreen extent -41,-55 28,55, body extent -30,-49 30,49, height 24
SON127P500X595X80-9N [mil] "SON127P500X595X80-9N"
  rect 35.43x17.72 smd: 1(-110,75) 2(-110,25) 3(-110,-25) 4(-110,-75) 5(110,-75) 6(110,-25) 7(110,25) 8(110,75)
  rect 137.8x161.42 smd: 9(0,0)
  silkscreen extent -117,-103 95,103, body extent -118,-98 118,98, height 39
SOT65P210X110-3N [mm] "SOT65P210X110-3N"
  rrect30% 0.75x0.5 smd: 1(-1.1,0.65) 2(-1.1,-0.65) 3(1.1,0)
  silkscreen extent -1.47,-1 0.37,1.15, body extent -1.2,-1.1 1.2,1.1, height 1.1
SOT-23-3 [mm]
  rrect50% 0.7x1.2 smd: 1(-1,-1.3) 2(1,-1.3) 3(0,1.3)
  silkscreen extent -1.9,-1.65 1.55,0.9, body extent -1.5,-1.42 1.5,1.42, height 1.11
SOT-23-3-FET [mm]
  rrect50% 0.7x1.2 smd: D(0,1.3) G(-1,-1.3) S(1,-1.3)
  silkscreen extent -1.91,-1.65 1.55,0.9, body extent -1.5,-1.42 1.5,1.42, height 1.11
SOT-23-5 [mm]
  rrect50% 0.55x1 smd: 1(-0.95,-1.5) 2(0,-1.5) 3(0.95,-1.5) 4(0.95,1.5) 5(-0.95,1.5)
  silkscreen extent -1.78,-1.65 1.55,0.9, body extent -1.51,-1.34 1.48,1.46, height 1.18
SOTFL50P160X60-8N [mil] "SOTFL50P160X60-8N"
  rect 18.7x11.81 smd: 1(-32.99,29.53) 2(-32.99,9.84) 3(-32.99,-9.84) 4(-32.99,-29.53) 5(32.99,-29.53) 6(32.99,-9.84) 7(32.99,9.84) 8(32.99,29.53)
  silkscreen extent -35,-41 10,46, body extent -24,-43 24,43, height 24
SOTFL50P162X60-6N [mil] "SOTFL50P162X60-6N"
  rect 19.37x11.81 smd: 1(-32.83,19.69) 2(-32.83,0) 3(-32.83,-19.69) 4(32.83,-19.69) 5(32.83,0) 6(32.83,19.69)
  silkscreen extent -35,-32 9,36, body extent -24,-31 24,31, height 24
TP_1p8 [mm]
  round 1.8 smd paste-2: 1(0,0)
WEEE [mil] "WEEE"
  silkscreen extent -1,-1 150,148
XCVR_LBEE5KL1DX-TEMP [mm] "XCVR_LBEE5KL1DX-TEMP"
  rect 0.5x0.25 smd: 1(-2.025,2.25) 2(-2.025,1.8) 3(-2.025,1.35) 4(-2.025,0.9) 5(-2.025,0.45) 6(-2.025,0) 7(-2.025,-0.45) 8(-2.025,-0.9) 9(-2.025,-1.35) 10(-2.025,-1.8) 11(-2.025,-2.25) 22(2.025,-2.25) 23(2.025,-1.8) 24(2.025,-1.35) 25(2.025,-0.9) 26(2.025,-0.45) 27(2.025,0) 28(2.025,0.45) 29(2.025,0.9) 30(2.025,1.35) 31(2.025,1.8) 32(2.025,2.25)
  rect 0.375x0.5 smd: 12(-2.088,-2.925) 21(2.088,-2.925) 33(2.088,2.925) 42(-2.088,2.925)
  rect 0.25x0.5 smd: 13(-1.575,-2.925) 14(-1.125,-2.925) 15(-0.675,-2.925) 16(-0.225,-2.925) 17(0.225,-2.925) 18(0.675,-2.925) 19(1.125,-2.925) 20(1.575,-2.925) 34(1.575,2.925) 35(1.125,2.925) 36(0.675,2.925) 37(0.225,2.925) 38(-0.225,2.925) 39(-0.675,2.925) 40(-1.125,2.925) 41(-1.575,2.925)
  rect 1x1 smd: 43(-0.75,1) 44(-0.75,-1) 45(0.75,1) 46(0.75,-1)
  silkscreen extent -3.15,-3.47 2.58,3.47, body extent -2.5,-3.5 2.5,3.5, height 1.1
XRCGB24M000F3M00R0 [mm] "XRCGB24M000F3M00R0"
  rrect20% 0.75x0.7 smd mask+0.05: 1(-0.675,-0.5) 2(0.675,-0.5) 3(0.675,0.5) 4(-0.675,0.5)
  silkscreen extent -1.24,-1.04 -1.16,-0.96, body extent -1,-0.8 1,0.8, height 0.65
XTAL_3225 [mm]
  rrect25% 1.3x1.1 smd: 1(-1.15,-0.9) 2(1.15,-0.9) 3(1.15,0.9) 4(-1.15,0.9)
  silkscreen extent -2.45,-1.25 0.3,1.25, body extent -1.6,-1.25 1.6,1.25, height 0.8
XTAL_ABS07-32.768KHZ-7-T [mm] "XTAL_ABS07-32.768KHZ-7-T"
  rect 1.1x1.6 smd: 1(-1.25,0) 2(1.25,0)
  silkscreen extent -0.38,-0.75 0.38,0.75, body extent -1.6,-0.7 1.6,0.7, height 1